# Altium PCB HW_SSB.PcbDoc
Units mm, origin at the board's own origin, x right, y up, seen from the top; angles counter-clockwise.
Board outline 95 x 75 mm, 4 copper layers (Top Layer, Int1 (GND), Int2 (PWR), Bottom Layer), stack 1.532 mm thick; 147 components, 102 nets, 486 pads, 11 vias.
Unrouted connection lines stored in the file: 319.
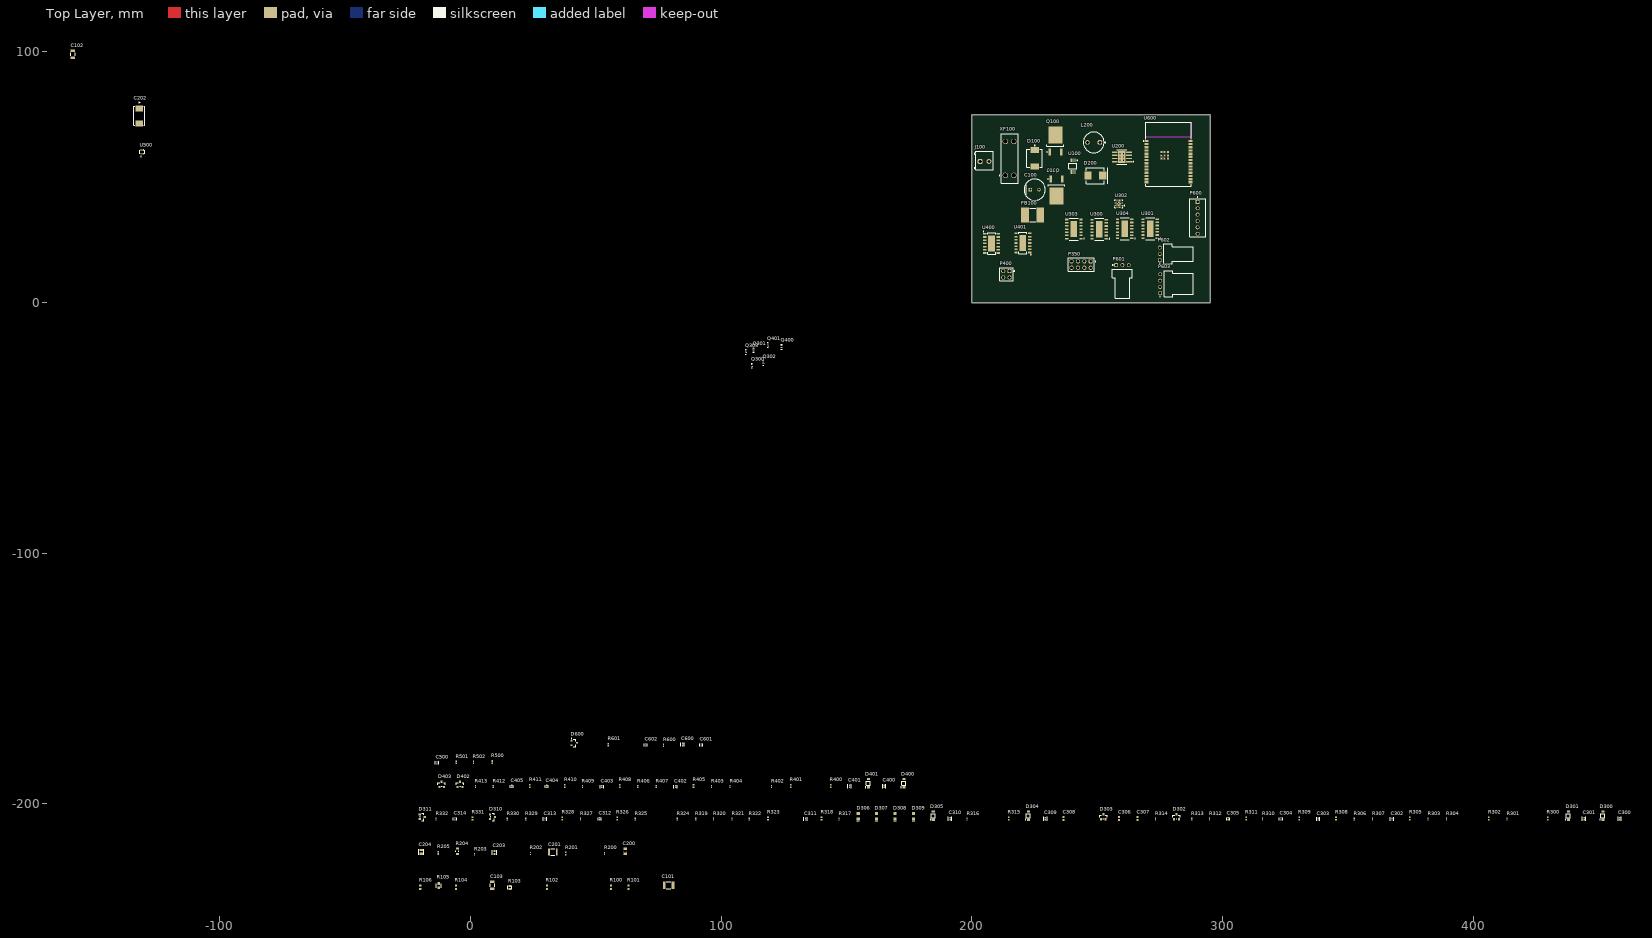
[diagram p0: Top Layer view]
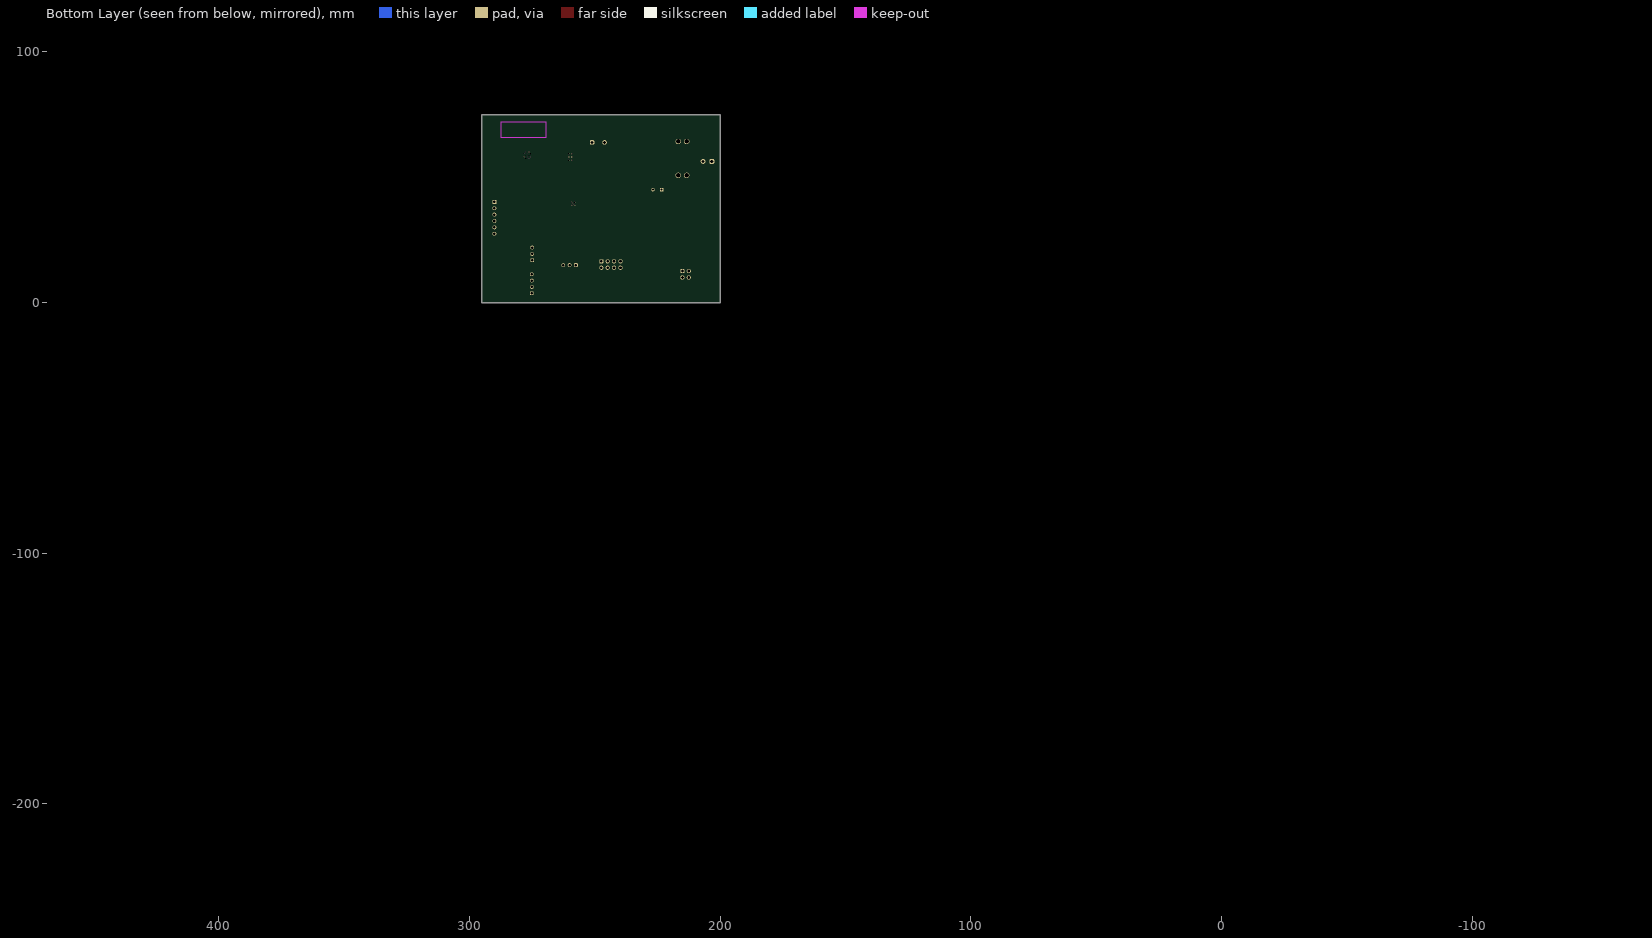
[diagram p1: Bottom Layer view, seen from below]
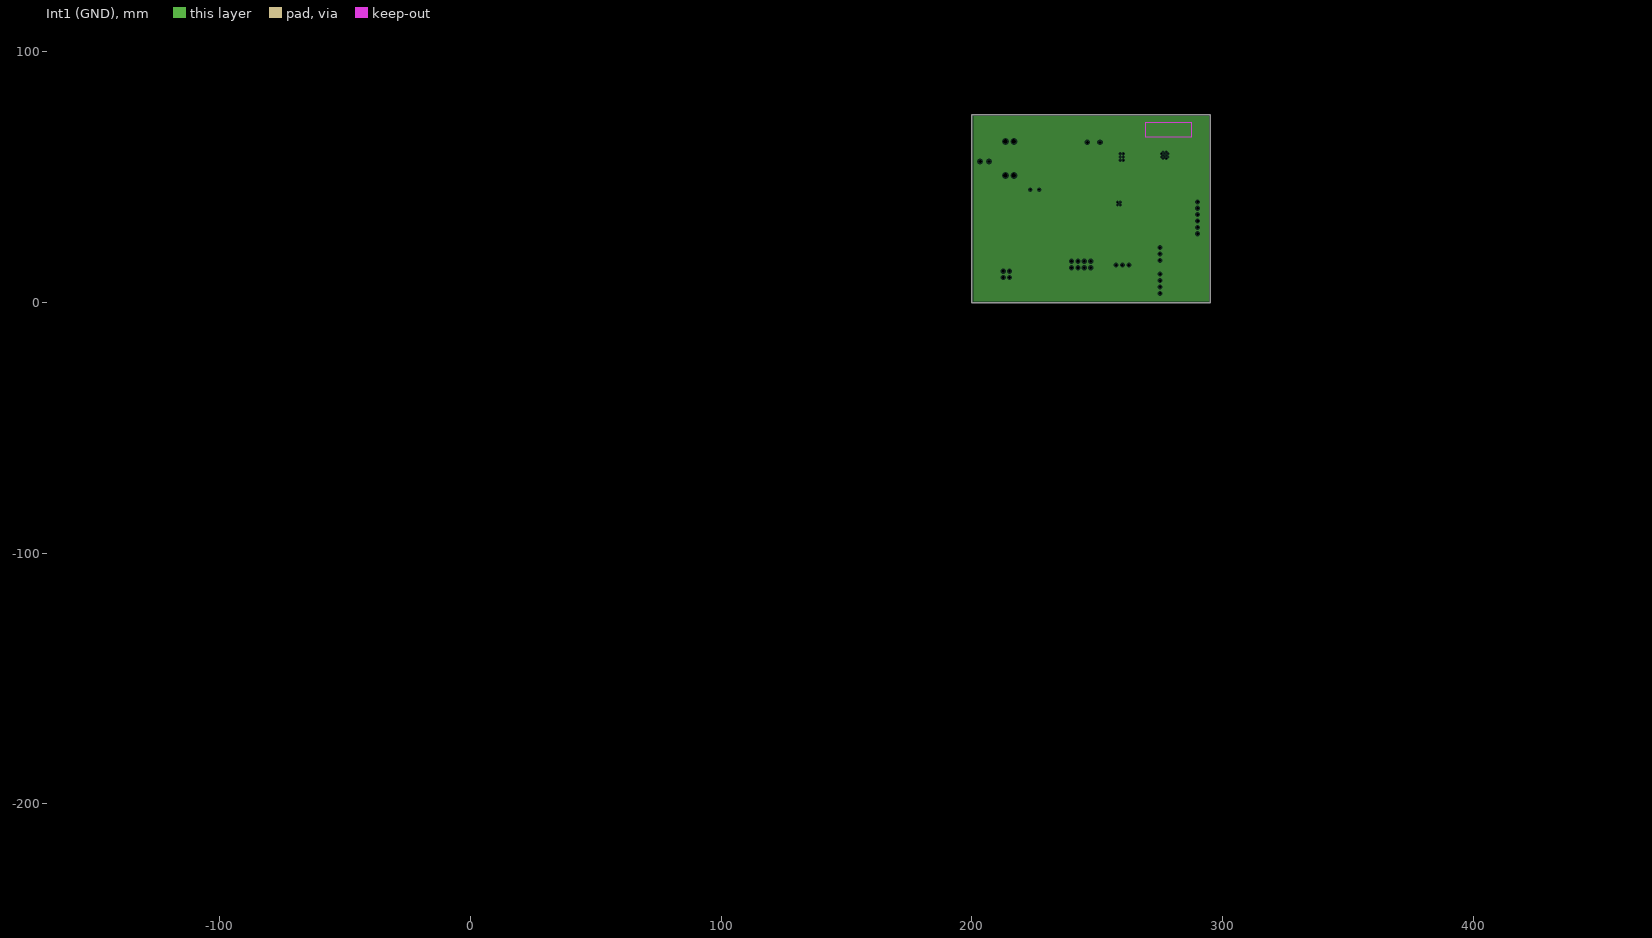
[diagram p2: Int1 (GND), clearances drawn from the general rule]
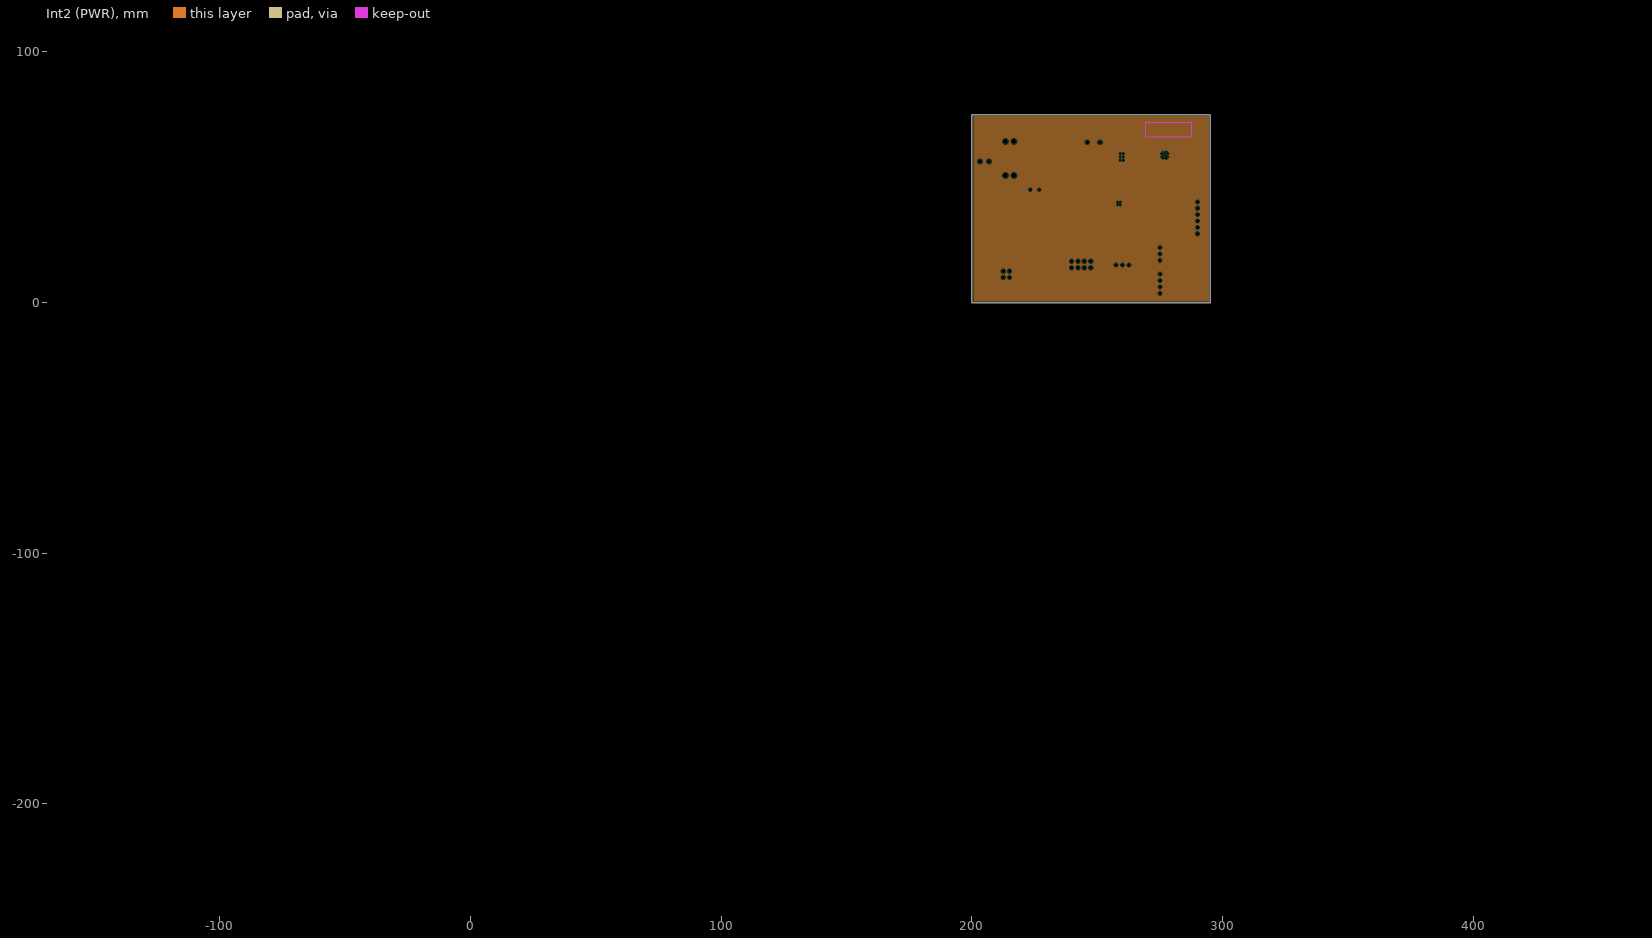
[diagram p3: Int2 (PWR), clearances drawn from the general rule]

## Layer stack, top to bottom
Top Solder: solder mask 0.0254, SM-001, Dk 4
Top Layer: signal copper 0.07
Dielectric 2: prepreg 0.196, PP-017, Dk 4.74
Int1 (GND): plane copper 0.035
Dielectric 3: core 0.93, Core-039, Dk 4.6
Int2 (PWR): plane copper 0.035
Dielectric 4: prepreg 0.196, PP-017, Dk 4.74
Bottom Layer: signal copper 0.07
Bottom Solder: solder mask 0.0254, SM-001, Dk 4

## Board outline
200,0 295,0 295,75 200,75

## Design rules (kind name [scope] priority, off if disabled: settings)
Clearance [All] p1: gap=0.254 ignorepadtopadclearanceinfootprint=FALSE
PlaneClearance [All] p1: clearance=0.508
PlaneConnect [All] p1: planeconnectstyle=Relief reliefexpansion=0.508 reliefentries=4 reliefconductorwidth=0.254 reliefairgap=0.254
PolygonConnect [All] p1: connectstyle=Relief reliefconductorwidth=0.254 reliefentries=4 polygonreliefangle="90 Angle" airgapwidth=0.254
RoutingVias [All] p1: holewidth=0.711 width=1.27 viastyle="Through Hole" minholewidth=0.711 minwidth=1.27 maxholewidth=0.711 maxwidth=1.27
SolderMaskExpansion [All] p1: expansion=0.102 istentingtop=FALSE
SupplyNets "Schematic Supply Nets" [InNet('V_SYS')] p1: voltage=0.000
SupplyNets "Schematic Supply Nets_2" [InNet('GND')] p2: voltage=0.000
SupplyNets "Schematic Supply Nets_1" [InNet('ESP_SCL')] p3: voltage=0.000
Width [All] p1: maxlimit=0.254 minlimit=0.254 preferedwidth=0.254
28 further rules are at their usual default settings.

## Classes and differential pairs
component class Sheet6: C600 C601 C602 D600 P600 P601 P602 P603 R600 R601 U600
component class Sheet5: C500 R500 R501 R502 U500
component class Sheet4: C400 C401 C402 C403 C404 C405 D400 D401 D402 D403 P400 Q400 Q401 R400 R401 R402 R403 R404 R405 R406 R407 R408 R409 R410 R411 R412 R413 U400 U401
component class Sheet3: C300 C301 C302 C303 C304 C305 C306 C307 C308 C309 C310 C311 C312 C313 C314 D300 D301 D302 D303 D304 D305 D306 D307 D308 D309 D310 D311 P350 Q300 Q301 Q302 Q303 R300 R301 R302 R303 R304 R305 R306 R307 R308 R309 R310 R311 R312 R313 R314 R315 R316 R317 R318 R319 R320 R321 R322 R323 R324 R325 R326 R327 R328 R329 R330 R331 R332 U300 U301 U302 U303 U304
component class Sheet2: C200 C201 C202 C203 C204 D200 L200 R200 R201 R202 R203 R204 R205 U200
component class Sheet1: C100 C101 C102 C103 D100 FB100 J100 Q100 Q101 R100 R101 R102 R103 R104 R105 R106 U100 XF100

## Components (designator, comment, footprint, x,y, rotation, side; value= is the part's Value field where it differs from the comment)
C100 "100uF" FP-RAD-TH-D_8_0_5-L_11_5-MFG 225,45 r0 top
C101 "10uF" FP-C3225-250-0_4-IPC_A 79.019,-232.441 r0 top
C102 "0.1uF" FP-C1206C-EB-MFG -158.659,99.073 r270 top value="0.10 μF"
C103 "0.1uF" FP-C1206C-EB-MFG 8.661,-232.441 r90 top value="0.10 μF"
C200 "0.1uF" FP-CC0805-0_85-MFG 61.62,-218.852 r90 top value="100 nF"
C201 "2.2uF" CAPC3225X250X20LL40 32.791,-219.106 r0 top
C202 "100uF" FP-POSCAP-D2E-MFG -132.116,74.432 r90 top
C203 "16pF" FP-C0603C-CF-MFG 9.55,-219.36 r90 top value="16 pF"
C204 "2000pF" FP-C0805C-DN-MFG -19.66,-219.106 r90 top value="2,000 pF"
C300 "0.1uF" FP-GRM155-0_05-IPC_B 458.368,-205.898 r90 top
C301 "0.1uF" FP-GRM155-0_05-IPC_B 444.144,-205.898 r90 top
C302 "0.01uF" FP-GRM155-0_05-IPC_C 367.563,-206.025 r90 top
C303 "0.01uF" FP-GRM155-0_05-IPC_C 338.099,-206.025 r90 top
C304 "100pF" FP-C0402-BB-MFG 323.24,-205.898 r90 top value="100 pF"
C305 "100pF" FP-C0402-BB-MFG 302.158,-205.898 r90 top value="100 pF"
C306 "1uF" CAPC1608X90X35LL10T15 258.597,-205.771 r90 top
C307 "1uF" CAPC1608X90X35LL10T15 265.963,-205.771 r90 top
C308 "1uF" CAPC1608X90X35LL10T15 236.499,-205.771 r90 top
C309 "0.1uF" FP-GRM155-0_05-IPC_B 229.26,-205.898 r90 top
C310 "0.1uF" FP-GRM155-0_05-IPC_B 191.287,-205.898 r90 top
C311 "0.01uF" FP-GRM155-0_05-IPC_C 133.629,-206.025 r90 top
C312 "100pF" FP-C0402-BB-MFG 51.587,-205.898 r90 top value="100 pF"
C313 "0.01uF" FP-GRM155-0_05-IPC_C 29.743,-206.025 r90 top
C314 "100pF" FP-C0402-BB-MFG -6.198,-205.898 r90 top value="100 pF"
C400 "0.1uF" FP-GRM155-0_05-IPC_B 164.998,-192.944 r90 top
C401 "0.1uF" FP-GRM155-0_05-IPC_B 151.155,-192.944 r90 top
C402 "0.01uF" FP-GRM155-0_05-IPC_C 81.813,-193.071 r90 top
C403 "0.01uF" FP-GRM155-0_05-IPC_C 52.349,-193.071 r90 top
C404 "100pF" FP-C0402-BB-MFG 30.378,-192.944 r90 top value="100 pF"
C405 "100pF" FP-C0402-BB-MFG 16.408,-192.944 r90 top value="100 pF"
C500 "0.01uF" FP-GRM155-0_05-IPC_C -13.437,-183.548 r90 top
C600 "0.1uF" FP-GRM155-0_05-IPC_B 84.607,-176.307 r90 top
C601 "1uF" FP-GRM15-0_1-MFG 91.973,-176.434 r90 top
C602 "1uF" FP-GRM15-0_1-MFG 69.875,-176.434 r90 top
D100 "SMCJ36A" FP-SMCJ-MFG 225,57.5 r270 top
D200 "B560C-13-F" DIOD-B5X0C-2_M 249.2,50.6 r180 top
D300 "MMSZ5263BT1G" ONSC-SOD-123-2-425-04_V 451.637,-204.628 r90 top
D301 "MMSZ5263BT1G" ONSC-SOD-123-2-425-04_V 437.921,-204.628 r90 top
D302 "BAS21-7-F" FP-SOT23-MFG 281.584,-205.136 r90 top value=5pF
D303 "BAS21-7-F" FP-SOT23-MFG 252.374,-205.136 r90 top value=5pF
D304 "MMSZ5263BT1G" ONSC-SOD-123-2-425-04_V 222.529,-204.628 r90 top
D305 "MMSZ5263BT1G" ONSC-SOD-123-2-425-04_V 184.556,-204.628 r90 top
D306 "150080VS75000" WL-SMCW_0805_150080xx75000 154.584,-204.882 r90 top
D307 "150080VS75000" WL-SMCW_0805_150080xx75000 161.95,-204.882 r90 top
D308 "150080VS75000" WL-SMCW_0805_150080xx75000 169.316,-204.882 r90 top
D309 "150080VS75000" WL-SMCW_0805_150080xx75000 176.682,-204.882 r90 top
D310 "BAS21-7-F" FP-SOT23-MFG 8.788,-205.136 r0 top value=5pF
D311 "BAS21-7-F" FP-SOT23-MFG -19.279,-205.136 r0 top value=5pF
D400 "MMSZ5263BT1G" ONSC-SOD-123-2-425-04_V 172.872,-191.674 r90 top
D401 "MMSZ5263BT1G" ONSC-SOD-123-2-425-04_V 158.648,-191.674 r90 top
D402 "BAS21-7-F" FP-SOT23-MFG -4.166,-192.182 r90 top value=5pF
D403 "BAS21-7-F" FP-SOT23-MFG -11.532,-192.182 r90 top value=5pF
D600 "BAT54" INF-SOT23_L 41.3,-175.672 r0 top
FB100 "74279224151" WE-MPSB_2220_L5.6W5.1H1.8 224.2,34.9 r0 top
J100 "691214110002" 691214110002 205,56.6 r0 top
L200 "22uH" WE-TI_8095 248.55,63.875 r180 top
P350 "61300821121" 61300821121 243.53,15.17 r180 top
P400 "61300421121" 61300421121 213.73,11.27 r180 top
P600 "22-23-2061" MOLX-22-23-2061_V 290,33.81 r270 top
P601 "61900311021" 61900311021 260,7.5 r0 top
P602 "61900311021" 61900311021 282.384,19.397 r90 top
P603 "61900411021" 61900411021 282.5,7.5 r90 top
Q100 "IPD90N10S4L-06" INF-PG-TO252-3-313_M#1 233.25,64.475 r90 top
Q101 "IPD90N10S4L-06" INF-PG-TO252-3-313_M#2 233.7,44.9 r270 top
Q300 "PMBT3904MB,315" FP-SOT883B-MFG 112.175,-25.1 r90 top
Q301 "PMBT3904MB,315" FP-SOT883B-MFG 112.875,-18.9 r90 top
Q302 "PMBT3904MB,315" FP-SOT883B-MFG 116.774,-24.001 r90 top
Q303 "PMBT3904MB,315" FP-SOT883B-MFG 109.775,-19.65 r90 top
Q400 "PMBT3904MB,315" FP-SOT883B-MFG 124,-17.55 r90 top
Q401 "PMBT3904MB,315" FP-SOT883B-MFG 118.575,-16.9 r90 top
R100 "10K" RESC1609X50X30NL8T20 56.032,-233.203 r90 top
R101 "10R" RESC1608X55X25NL10T15 63.017,-233.203 r90 top
R102 "10K" RESC1609X50X30NL8T20 30.505,-233.203 r90 top
R103 "130K" FP-CRCW0603-e3-IPC_C 15.646,-233.33 r90 top
R104 "10K" RESC1609X50X30NL8T20 -5.817,-233.203 r90 top
R105 "25.5K" FP-CRCW0603-e3-IPC_A -12.675,-232.568 r90 top
R106 "10K" RESC1609X50X30NL8T20 -20.041,-233.203 r90 top
R200 "36.5k" RESC0603X28X15ML05T05 53.492,-219.741 r90 top
R201 "523k" RESC1005X40X25NL05T10 37.998,-219.741 r90 top
R202 "23K7" RESC0201(0603)_M 23.901,-219.741 r90 top value="23700.00 Ohm"
R203 "249k" RESC0603X28X15LL05T05 1.549,-219.995 r90 top
R204 "11.7k" FP-RT0805-MFG -5.309,-218.852 r90 top value=11.7kΩ
R205 "84.5k" RESC1005X40X25ML05T10 -12.929,-219.487 r90 top
R300 "1.5K" RESC1005X40X25ML05T10 429.666,-205.771 r90 top
R301 "10K" RESC1005X40X25LL05T10 413.41,-206.025 r90 top
R302 "1.5K" RESC1005X40X25ML05T10 406.171,-205.771 r90 top
R303 "10K" RESC1005X40X25LL05T10 381.914,-206.025 r90 top
R304 "10K" RESC1005X40X25LL05T10 389.28,-206.025 r90 top
R305 "47K" RESC1005X40X25ML05T10 374.675,-205.771 r90 top
R306 "10K" RESC1005X40X25LL05T10 352.45,-206.025 r90 top
R307 "10K" RESC1005X40X25LL05T10 359.816,-206.025 r90 top
R308 "47K" RESC1005X40X25ML05T10 345.211,-205.771 r90 top
R309 "1.2K" RESC1005X40X25ML05T10 330.479,-205.771 r90 top
R310 "10K" RESC1005X40X25LL05T10 315.874,-206.025 r90 top
R311 "1.2K" RESC1005X40X25ML05T10 309.397,-205.771 r90 top
R312 "27R" RESC1005X40X25LL05T10 294.792,-206.025 r90 top
R313 "27R" RESC1005X40X25LL05T10 287.68,-206.025 r90 top
R314 "10K" RESC1005X40X25LL05T10 273.202,-206.025 r90 top
R315 "1.5K" RESC1005X40X25ML05T10 214.655,-205.771 r90 top
R316 "10K" RESC1005X40X25LL05T10 198.018,-206.025 r90 top
R317 "10K" RESC1005X40X25LL05T10 146.964,-206.025 r90 top
R318 "47K" RESC1005X40X25ML05T10 139.979,-205.771 r90 top
R319 "330R" RESC1005X40X25LL05T10 89.814,-206.025 r90 top
R320 "330R" RESC1005X40X25LL05T10 96.926,-206.025 r90 top
R321 "330R" RESC1005X40X25LL05T10 104.292,-206.025 r90 top
R322 "330R" RESC1005X40X25LL05T10 111.15,-206.025 r90 top
R323 "1.5K" RESC1005X40X25ML05T10 118.643,-205.771 r90 top
R324 "10K" RESC1005X40X25LL05T10 82.448,-206.025 r90 top
R325 "10K" RESC1005X40X25LL05T10 65.684,-206.025 r90 top
R326 "1.2K" RESC1005X40X25ML05T10 58.445,-205.771 r90 top
R327 "10K" RESC1005X40X25LL05T10 43.84,-206.025 r90 top
R328 "47K" RESC1005X40X25ML05T10 36.601,-205.771 r90 top
R329 "27R" RESC1005X40X25LL05T10 21.996,-206.025 r90 top
R330 "10K" RESC1005X40X25LL05T10 14.63,-206.025 r90 top
R331 "1.2K" RESC1005X40X25ML05T10 0.787,-205.771 r90 top
R332 "27R" RESC1005X40X25LL05T10 -13.818,-206.025 r90 top
R400 "1.5K" RESC1005X40X25ML05T10 143.662,-192.817 r90 top
R401 "1.5K" RESC1005X40X25ML05T10 127.66,-192.817 r90 top
R402 "10K" RESC1005X40X25LL05T10 120.04,-193.071 r90 top
R403 "10K" RESC1005X40X25LL05T10 96.164,-193.071 r90 top
R404 "10K" RESC1005X40X25LL05T10 103.53,-193.071 r90 top
R405 "47K" RESC1005X40X25ML05T10 88.925,-192.817 r90 top
R406 "10K" RESC1005X40X25LL05T10 66.7,-193.071 r90 top
R407 "10K" RESC1005X40X25LL05T10 74.066,-193.071 r90 top
R408 "47K" RESC1005X40X25ML05T10 59.461,-192.817 r90 top
R409 "10K" RESC1005X40X25LL05T10 44.602,-193.071 r90 top
R410 "1.2K" RESC1005X40X25ML05T10 37.617,-192.817 r90 top
R411 "1.2K" RESC1005X40X25ML05T10 23.647,-192.817 r90 top
R412 "27R" RESC1005X40X25LL05T10 9.042,-193.071 r90 top
R413 "27R" RESC1005X40X25LL05T10 1.93,-193.071 r90 top
R500 "470R" RESC1005X40X25ML05T10 8.661,-183.292 r90 top
R501 "4K7" RESC1005X40X25NL05T10 -5.69,-183.419 r90 top
R502 "4K7" RESC1005X40X25NL05T10 1.168,-183.419 r90 top
R600 "10K" RESC1005X40X25LL05T10 76.987,-176.561 r90 top
R601 "0R" RESC1005X40X25NL05T10 54.889,-176.307 r90 top
U100 "LM5060Q1MMX/NOPB" DGS0010A_M 240.2,54.425 r270 top
U200 "TPS54360BQDDARQ1" FP-DDA0008E-MFG 259.75,58.075 r180 top
U300 "BTT60101EKAXUMA1" FP-PG-DSO-14-MFG 250.705,29.285 r180 top
U301 "BTT60101EKAXUMA1" FP-PG-DSO-14-MFG 271.05,29.475 r180 top
U302 "ADS7128IRTER" FP-RTE0016C-MFG 258.55,39.425 r180 top
U303 "BTT60101EKAXUMA1" FP-PG-DSO-14-MFG 240.605,29.315 r180 top
U304 "BTT60101EKAXUMA1" FP-PG-DSO-14-MFG 260.895,29.385 r180 top
U400 "BTT60201ERAXUMA1" BTT60201ERAXUMA1 207.8,23.6 r0 top
U401 "BTT60201ERAXUMA1" BTT60201ERAXUMA1 220.27,23.77 r180 top
U500 "TMP102AQDRLRQ1" FP-DRL0006A-MFG -130.973,60.081 r90 top
U600 "ESP32-C6-WROOM-1-N8" ESP32-C6-WROOM-1-N8 277.998,59.502 r0 top
XF100 "3557-2" KSTN-3557-2 215,57.5 r90 top

## Footprints (in the part's own frame and the unit in brackets; to place one, negate y for a bottom-side part, rotate by r counter-clockwise, add the part's x,y. Pads: shape width x height; smd on the part's side, far side on the other; paste and mask are expansions set on the pad)
61300421121 [mm] "Pin Header, pitch 2.54 mm, THT, Vertical, dual row, 4p"
  rrect50% 1.65x1.65 hole 1.1: 1(-1.27,-1.27)
  round 1.65 hole 1.1: 2(-1.27,1.27) 3(1.27,-1.27) 4(1.27,1.27)
  silkscreen extent -3.27,-2.62 2.69,2.62, body extent -2.54,-2.54 2.54,2.54, height 8.59
61300821121 [mm] "Pin Header, pitch 2.54 mm, THT, Vertical, dual row, 8p"
  rrect50% 1.65x1.65 hole 1.1: 1(-3.81,-1.27)
  round 1.65 hole 1.1: 2(-3.81,1.27) 3(-1.27,-1.27) 4(-1.27,1.27) 5(1.27,-1.27) 6(1.27,1.27) 7(3.81,-1.27) 8(3.81,1.27)
  silkscreen extent -5.81,-2.62 5.23,2.62, body extent -5.08,-2.54 5.08,2.54, height 8.59
61900311021 [mm] "2.54mm Male Left Angled Header Bottom Locking, 3p"
  rrect50% 1.5x1.5 hole 1: 1(-2.54,7.45)
  round 1.5 hole 1: 2(0,7.45) 3(2.54,7.45)
  silkscreen extent -3.99,-5.82 3.98,7.62, body extent -3.81,-5.75 3.81,7.77, height 5.83
61900411021 [mm] "2.54mm Male Left Angled Header Bottom Locking, 4p"
  rrect50% 1.5x1.5 hole 1: 1(-3.81,7.45)
  round 1.5 hole 1: 2(-1.27,7.45) 3(1.27,7.45) 4(3.81,7.45)
  silkscreen extent -5.26,-5.82 5.25,7.62, body extent -5.08,-5.75 5.08,7.77, height 5.83
691214110002 [mm] "3.50 mm Horizontal Entry Modular, 2p"
  rrect50% 1.95x1.95 hole 1.3: 1(-1.75,-0.3)
  round 1.95 hole 1.3: 2(1.75,-0.3)
  silkscreen extent -3.9,-3.7 3.5,3.7, body extent -3.95,-3.7 3.5,3.7, height 8.55
BTT60201ERAXUMA1 [mm]
  rect 1.34x0.65 smd paste+0 mask+0.102: 1(-2.73,3.81) 2(-2.73,2.54) 3(-2.73,1.27) 4(-2.73,0) 5(-2.73,-1.27) 6(-2.73,-2.54) 7(-2.73,-3.81) 8(2.73,-3.81) 9(2.73,-2.54) 10(2.73,-1.27) 11(2.73,0) 12(2.73,1.27) 13(2.73,2.54) 14(2.73,3.81)
  rect 2.65x6.4 smd paste-4 mask+0.102: 15(0,0)
  silkscreen extent -3.32,-4.3 1.6,4.81, body extent -3,-4.33 3,4.33, height 1.15
CAPC1608X90X35LL10T15 [mm] "Chip Capacitor, 2-Leads, Body 1.7x0.9mm, IPC High Density"
  rect 0.75x0.85 smd: 1(-0.625,0) 2(0.625,0)
  body extent -0.85,-0.45 0.85,0.45, height 0.9
CAPC3225X250X20LL40 [mm] "Chip Capacitor, 2-Leads, Body 3.60x2.80mm, IPC High Density"
  rect 0.75x2.7 smd: 1(-1.575,0) 2(1.575,0)
  silkscreen extent -0.8,-1.25 0.8,1.25, body extent -1.8,-1.4 1.8,1.4, height 2.5
DGS0010A_M [mm] "SOP, 10-Leads, Body 3.1x3.1mm, Pitch 0.5mm, IPC Low Density"
  rrect33% 1.55x0.3 smd: 1(-2.325,1) 2(-2.325,0.5) 3(-2.325,0) 4(-2.325,-0.5) 5(-2.325,-1) 6(2.325,-1) 7(2.325,-0.5) 8(2.325,0) 9(2.325,0.5) 10(2.325,1)
  silkscreen extent -2.45,-1.55 1.15,1.9, body extent -2.45,-1.5 2.45,1.5, height 0.94
DIOD-B5X0C-2_M [mm] "Molded Diode, 2-Leads, Body 7.11x6.22mm, IPC Low Density"
  rect 2.85x3.2 smd: 1(-2.95,0) 2(2.95,0)
  silkscreen extent -4.87,-3.15 3.6,3.15, body extent -3.56,-3.11 3.55,3.11, height 2.63
ESP32-C6-WROOM-1-N8 [mm]
  rect 1.5x0.9 smd: 1(-8.368,4.968) 2(-8.368,3.698) 3(-8.368,2.428) 4(-8.368,1.158) 5(-8.368,-0.112) 6(-8.368,-1.382) 7(-8.368,-2.652) 8(-8.368,-3.922) 9(-8.368,-5.192) 10(-8.368,-6.462) 11(-8.368,-7.732) 12(-8.368,-9.002) 13(-8.368,-10.272) 14(-8.368,-11.542) 15(9.132,-11.542) 16(9.132,-10.272) 17(9.132,-9.002) 18(9.132,-7.732) 19(9.132,-6.462) 20(9.132,-5.192) 21(9.132,-3.922) 22(9.132,-2.652) 23(9.132,-1.382) 24(9.132,-0.112) 25(9.132,1.158) 26(9.132,2.428) 27(9.132,3.698) 28(9.132,4.968)
  rect 0.8x0.8 smd: 29_1(-2.373,0.498) 29_2(-1.123,0.498) 29_3(0.127,0.498) 29_4(-2.373,-0.752) 29_5(-1.123,-0.752) 29_6(0.127,-0.752) 29_7(-2.373,-2.002) 29_8(-1.123,-2.002) 29_9(0.127,-2.002)
  round 0.35 hole 0.25 mask+0: 30_1(-1.748,0.498) 30_2(-0.498,0.498) 30_3(-2.373,-0.127) 30_4(-1.123,-0.127) 30_5(0.127,-0.127) 30_6(-1.748,-0.752) 30_7(-0.498,-0.752) 30_8(-2.373,-1.377) 30_9(-1.123,-1.377) 30_10(0.127,-1.377) 30_11(-1.748,-2.002) 30_12(-0.498,-2.002)